# Altium PCB 迷你随车充液晶显示板.PcbDoc
Units mm, origin at the board's own origin, x right, y up, seen from the top; angles counter-clockwise.
Board outline 72 x 65 mm, 2 copper layers (Top Layer, Bottom Layer); 18 components, 11 nets, 60 pads, 37 vias.
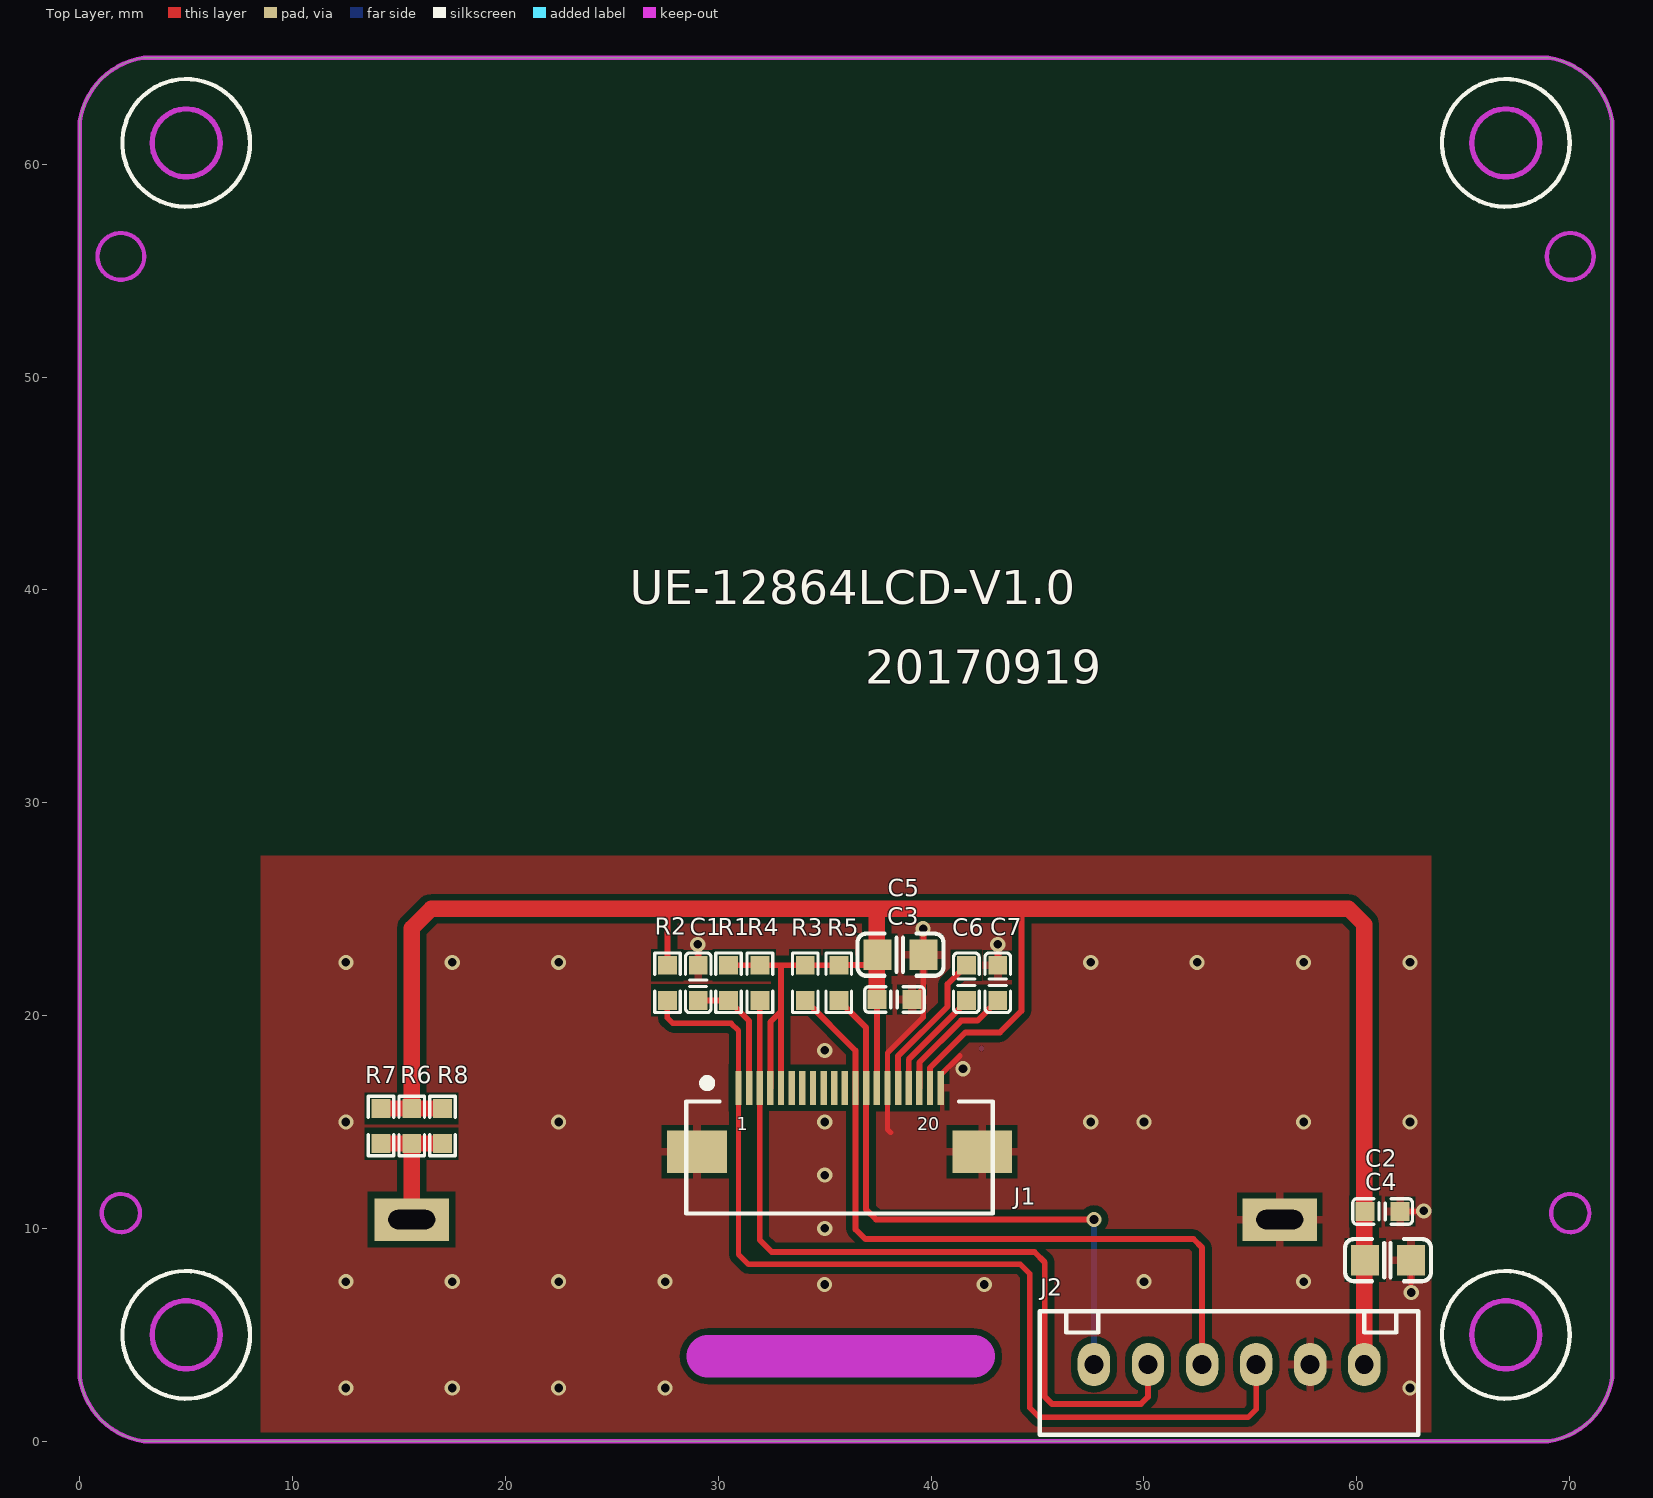
[diagram p0: Top Layer view]
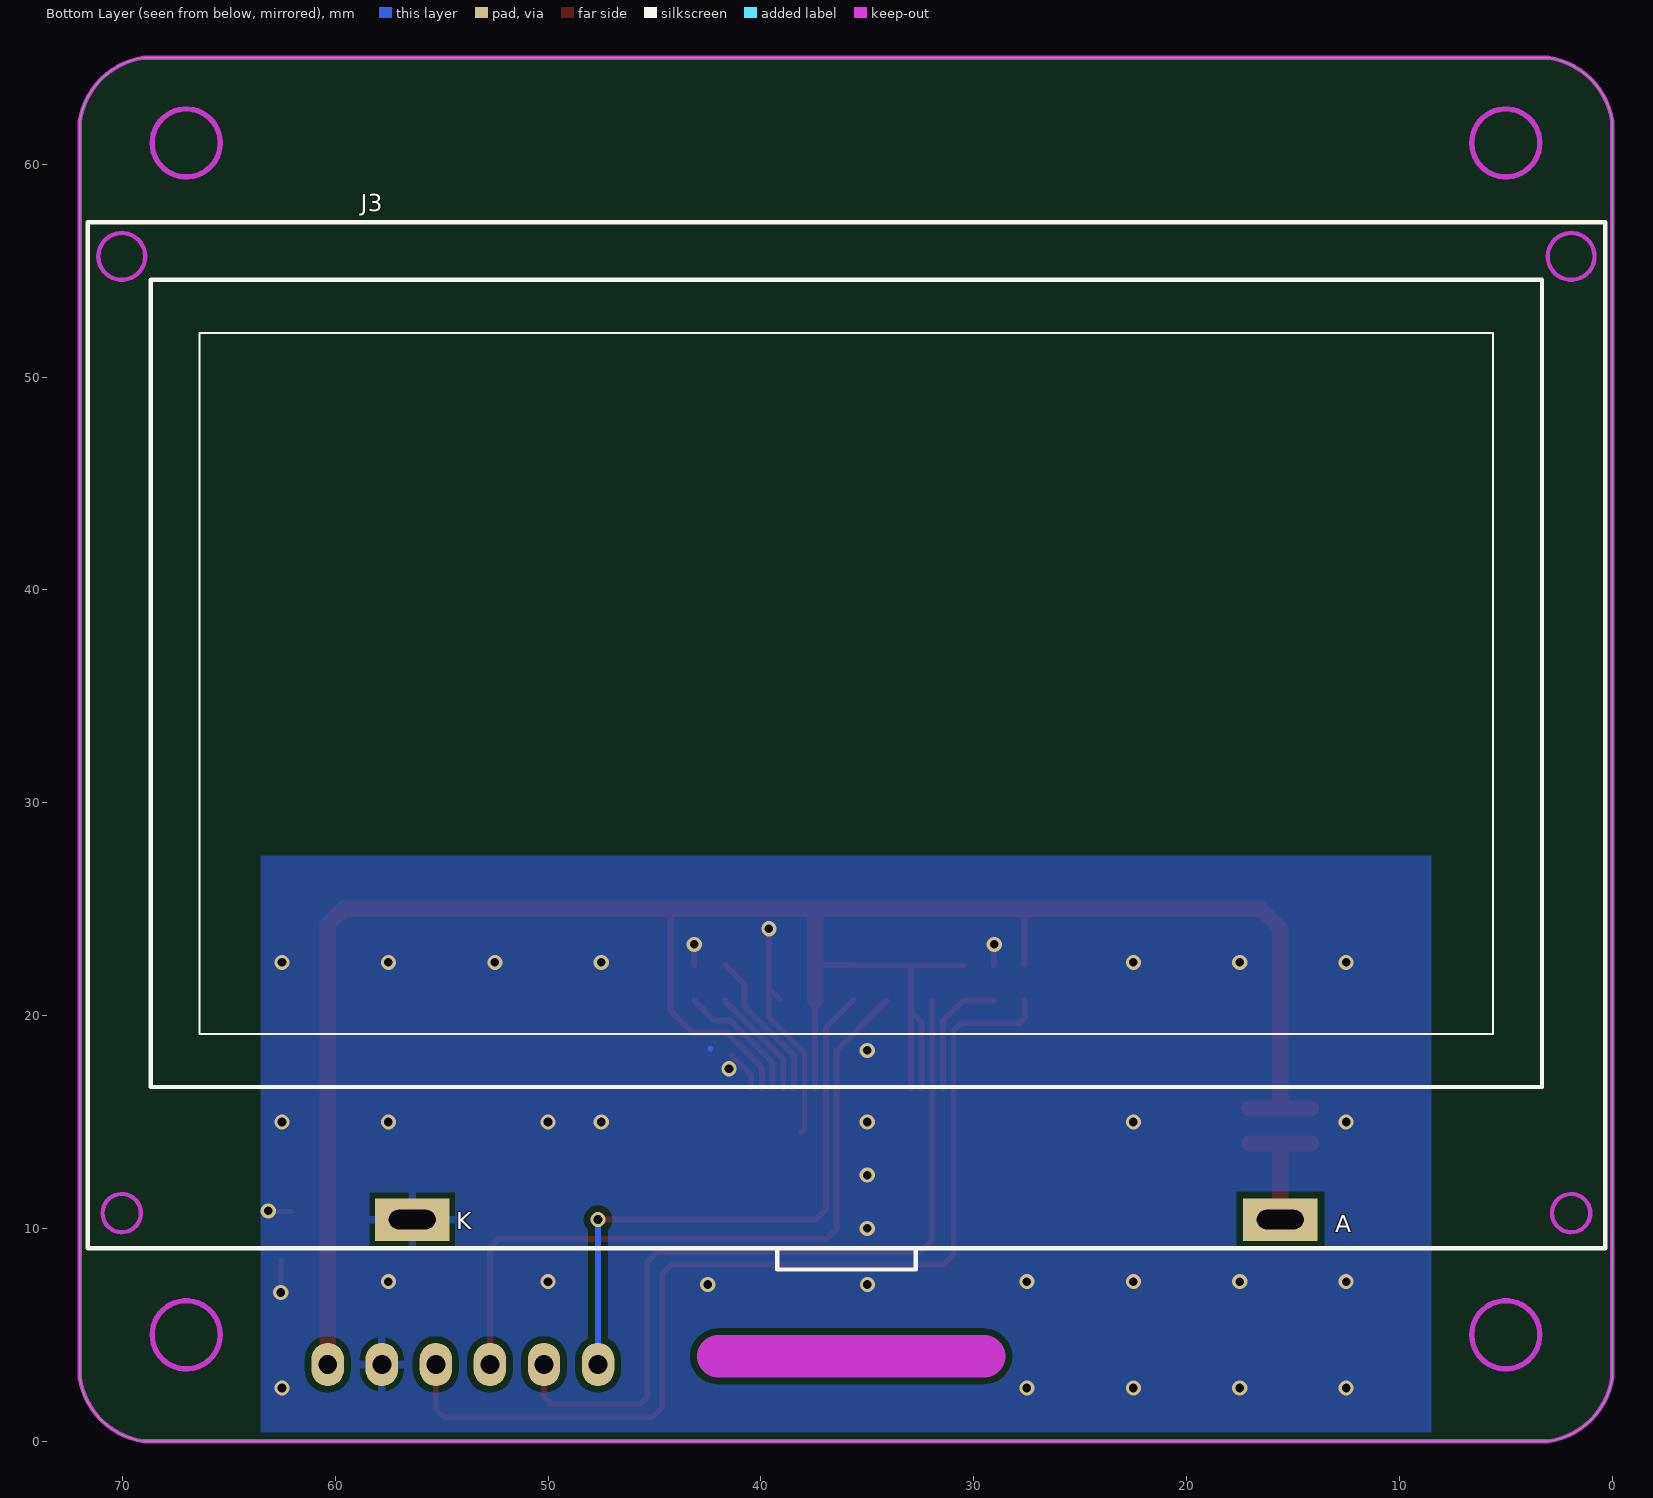
[diagram p1: Bottom Layer view, seen from below]

## Layer stack, top to bottom
Top Layer: signal copper 0.0356
Dielectric: core 0.32, FR-4, Dk 4.8
Bottom Layer: signal copper 0.0356

## Board outline
0,3 ccw(c3.5,3.5) 3,0 69,0 ccw(c68.5,3.5) 72,3 72,62 ccw(c68.5,61.5) 69,65 3,65 ccw(c3.5,61.5) 0,62

## Design rules (kind name [scope] priority, off if disabled: settings)
Clearance [InPoly] p1: gap=0.305
Clearance Clearance_1 [All] p2: gap=0.178
ComponentClearance [All] p1 off: gap=0.025 collisioncheckmode=3 verticalgap=0.025 showdistances=FALSE
FabricationTestpoint [(IsPad And (OnTopLayer Or OnBottomLayer))] p1: side=3 testpointundercomponent=TRUE minsize=1.016 maxsize=2.54 preferedsize=1.524 minholesize=0 maxholesize=1.016 preferedholesize=0.813 testpointgrid=0.025 allowsidetop=TRUE allowsidebottom=TRUE usegrid=TRUE gridtolerance=0
HoleSize [All] p1: absolutevalues=TRUE maxlimit=5.08 minlimit=0.025 maxpercent=80.000 minpercent=20.000
MinimumSolderMaskSliver [All] p1: minsoldermaskwidth=0
PolygonConnect [IsVia] p1: connectstyle=Direct reliefconductorwidth=0.254 reliefentries=4 polygonreliefangle="90 Angle" airgapwidth=0.254
PolygonConnect PolygonConnect_1 [All] p2: connectstyle=Relief reliefconductorwidth=0.381 reliefentries=4 polygonreliefangle="90 Angle" airgapwidth=0.254
RoutingVias [All] p1: holewidth=0.711 width=1.27 viastyle="Through Hole" minholewidth=0.254 minwidth=0.254 maxholewidth=0.711 maxwidth=1.27
SilkToSilkClearance [All] p1: silktosilkclearance=0
SilkToSolderMaskClearance [IsPad] p1: minsilkscreentomaskgap=0 clearancetoexposedcopper=TRUE
SolderMaskExpansion [All] p1: expansion=0.102
Width [All] p1: maxlimit=10 minlimit=0.013 preferedwidth=0.254 minimp=50.000000 maximp=50.000000 favimp=50.000000
22 further rules are at their usual default settings.

## Components (designator, comment, footprint, x,y, rotation, side; value= is the part's Value field where it differs from the comment)
C1 "0.1uF" 0603C 29.058,21.539 r270 top
C2 "104" 0603C 61.214,10.795 r180 top
C3 "104" 0603C 38.278,20.752 r180 top
C4 "10uF" 0805C 61.468,8.509 r0 top
C5 "10uF" 0805C 38.557,22.86 r0 top
C6 "105" 0603C 41.656,21.539 r90 top
C7 "105" 0603C 43.129,21.539 r90 top
J1 "CON20" FPC20-0.5mm 35.698,15.098 r0 top
J2 "CON6" CON06_2.54 60.35,3.607 r180 top
J3 "CON2" JXL12864G-1504 71.628,9.068 r180 bottom
R1 "10K" 0603R 30.48,21.539 r270 top
R2 "10K" 0603R 27.61,21.539 r90 top
R3 "10K" 0603R 34.087,21.539 r90 top
R4 "10K" 0603R 31.953,21.539 r90 top
R5 "10K" 0603R 35.662,21.539 r90 top
R6 "47R" 0603R 15.596,14.808 r270 top
R7 "47R" 0603R 14.148,14.808 r270 top
R8 "47R" 0603R 17.043,14.808 r270 top

## Footprints (in the part's own frame and the unit in brackets; to place one, negate y for a bottom-side part, rotate by r counter-clockwise, add the part's x,y. Pads: shape width x height; smd on the part's side, far side on the other; paste and mask are expansions set on the pad)
0603C [mil]
  rect 35x35 smd: 1(-32.5,0) 2(32.5,0)
  silkscreen extent -55,-24 55,24
0603R [mil]
  rect 35x35 smd: 1(-32.5,0) 2(32.5,0)
  silkscreen extent -55,-24 55,24
0805C [mil]
  rect 52x56 smd: 1(-42.5,0) 2(42.5,0)
  silkscreen extent -80,-39 80,39
CON06_2.54 [mil]
  oval 60x80 hole 35: 1(0,0) 2(100,0) 3(200,0) 4(300,0) 5(400,0) 6(500,0)
  silkscreen extent -100,-98 600,130
FPC20-0.5mm [mm]
  rect 0.3x1.6 smd: 1(-4.75,1.5) 2(-4.25,1.5) 3(-3.75,1.5) 4(-3.25,1.5) 5(-2.75,1.5) 6(-2.25,1.5) 7(-1.75,1.5) 8(-1.25,1.5) 9(-0.75,1.5) 10(-0.25,1.5) 11(0.25,1.5) 12(0.75,1.5) 13(1.25,1.5) 14(1.75,1.5) 15(2.25,1.5) 16(2.75,1.5) 17(3.25,1.5) 18(3.75,1.5) 19(4.25,1.5) 20(4.75,1.5)
  rect 2.8x2 smd: 21(-6.7,-1.5) 22(6.7,-1.5)
  silkscreen extent -7.2,-4.4 7.2,1.85
JXL12864G-1504 [mm]
  rect 3.5x2 hole 0.9 slot 2.2 at 0 deg: 1(56.032,1.346) 2(15.25,1.346)
  Keep-Out Layer circle w0.2: c1.6,1.65 r0.9
  Keep-Out Layer circle w0.2: c69.7,1.65 r0.9
  Keep-Out Layer circle w0.2: c69.7,46.6 r1.1
  Keep-Out Layer circle w0.2: c1.6,46.6 r1.1
  silkscreen extent 0,-1 71.3,48.2

## Part data
C1: library part CAP1, "0603贴片电容/50V/0.1uF/±10%/X7R"
C2 C3 C6 C7: library part CAP, "Capacitor"
C4 C5: library part CAP1
J1 J2 J3: "Connector"
R1: library part RES1, "0603贴片电阻/10K/0.1W/±5%"
R2 R3 R4 R5 R6 R7 R8: library part RES-1, "RES"

## Via types
v1: diameter 0.711, hole 0.406, Top Layer to Bottom Layer, tented both sides, 37 vias

## Nets (pads, with @x,y where several pads share a name; then routed paths per layer and width w, separated by ;. In a path a pad name is that pad's centre, name@x,y a point inside that pad or via, vN(x,y) a via of type N, cw(c..) or ccw(c..) an arc to the next point about the centre after c; other vN are vias at no path point)
DGND: C1.1 C2.1 C3.1 C4.2 C5.2 C7.2 J1.15 J1.20 J1.21 J1.22 J2.2 J3.2 | length 20.4
  Top Layer w0.254: v1(29.032,23.343) 29.058,23.317 C1.1 ; 38.1,14.503 37.948,14.655 J1.15 37.948,18.232 39.624,19.907 39.624,21.273 ; C3.1 39.624,21.273 ; v1@39.624,24.105 v1(39.624,24.079) 39.624,21.273 ; v1@39.637,24.079 C5.2 39.637,21.285 39.624,21.273 ; J1.20 40.448,17.207 41.351,18.11 ; C7.2 v1(43.129,23.343) ; C2.1 63.119,10.795 v1(63.144,10.82) ; C4.2 62.547,6.998 v1(62.56,6.985)
  Bottom Layer w0.254: 42.367,18.44 42.367,18.466
  other v1: 12.5,2.5 17.5,2.5 22.5,2.5 27.5,2.5 62.5,2.5 34.994,7.366 42.494,7.366 12.5,7.5 17.5,7.5 22.5,7.5 27.5,7.5 50,7.5 57.5,7.5 35,10 35,12.5 12.5,15 22.5,15 35,15 47.5,15 50,15 57.5,15 62.5,15 41.5,17.5 35.001,18.364 12.5,22.5 17.5,22.5 22.5,22.5 47.5,22.5 52.5,22.5 57.5,22.5 62.5,22.5
DIS_RES: C1.2 J1.2 R1.2 | length 5.9
  Top Layer w0.279: C1.2 R1.2 31.448,19.745 J1.2
DP3V3: C2.2 C3.2 C4.1 C5.1 J1.4 J1.5 J1.14 J1.19 J2.1 R1.1 R2.2 R3.2 R4.2 R5.2 R6.1 R7.1 R8.1 | length 116.3
  Top Layer w0.279: R2.2 27.61,24.892 27.737,25.019 ; R1.1 32.969,22.364 ; J1.4 32.448,19.698 32.948,20.198 ; J1.5 32.948,22.344 32.969,22.364 ; 37.44,25.019 37.448,25.01 ; J1.14 C3.2@37.448,20.714 ; C5.1@37.448,22.365 R5.2 32.969,22.364 ; J1.19 39.948,17.546 41.605,19.202 43.231,19.202 44.247,20.218 44.247,24.943 44.171,25.019
  Top Layer w0.762: R7.1 R6.1 ; R8.1 R6.1 ; C3.2@37.448,20.714 C5.1@37.448,22.365 ; C5.1@37.448,22.403 37.448,25.01 ; J2.1 60.35,24.282 59.614,25.019 44.171,25.019 37.44,25.019 27.737,25.019 16.51,25.019 15.596,24.105 R6.1
NetC6_1: C6.1 J1.17 | length 5.2
  Top Layer w0.279: J1.17 38.948,17.943 41.656,20.65 C6.1
NetC6_2: C6.2 J1.16 | length 7.1
  Top Layer w0.279: J1.16 38.448,18.103 40.767,20.422 40.767,21.476 C6.2
NetC7_1: C7.1 J1.18 | length 6.1
  Top Layer w0.279: J1.18 39.448,17.796 41.414,19.761 42.177,19.761 C7.1
NetJ3_1: J3.1 R6.2 R7.2 R8.2 | length 6.5
  Top Layer w0.762: R7.2 R6.2 ; J3.1 R6.2 ; R8.2 R6.2
S_DIS_CS: J1.1 J2.3 R2.1 | length 48.4
  Top Layer w0.254: R2.1 27.61,19.888 27.864,19.634 30.607,19.634 30.948,19.293 J1.1 30.948,8.777 31.42,8.306 44.196,8.306 44.628,7.874 44.628,1.575 45.085,1.118 54.889,1.118 55.27,1.499 J2.3
S_DIS_RS: J1.3 J2.5 R4.1 | length 38.1
  Top Layer w0.279: R4.1 31.948,20.709 J1.3 31.948,9.454 32.512,8.89 44.856,8.89 45.339,8.407 45.339,2.083 45.669,1.753 49.86,1.753 50.19,2.083 J2.5
S_DIS_SCK: J1.12 J2.4 R3.1 | length 33.9
  Top Layer w0.279: R3.1 36.448,18.352 J1.12 36.448,9.957 36.906,9.5 52.324,9.5 52.73,9.093 J2.4
S_DIS_SDA: J1.13 J2.6 R5.1 | length 28.1
  Top Layer w0.279: R5.1 36.948,19.427 J1.13 36.948,10.88 37.414,10.414 v1(47.65,10.414)
  Bottom Layer w0.279: J2.6 v1(47.65,10.414)
pads on no net: J1.6 J1.7 J1.8 J1.9 J1.10 J1.11

## Polygon pours and split planes (outlines as drawn)
DGND on Top Layer "top-No Net" (solid, remove dead copper, pour order 6): 63.5,0 63.5,5 63.5,27.5 57.5,27.5 55,27.5 8.5,27.5 8.5,20 8.5,0 63.5,0
DGND on Bottom Layer "Top Layer-DGND" (solid, remove dead copper, pour order 5): 63.5,0 63.5,5 63.5,27.5 57.5,27.5 55,27.5 8.5,27.5 8.5,20 8.5,0 63.5,0

## Keep-outs
Keep-Out Layer:
  circle w0.254: c5,5 r1.6
  circle w0.254: c67,5 r1.6
  circle w0.254: c67,61 r1.6
  circle w0.254: c5,61 r1.6
  lines w0.2: 0,3 ccw(c3.5,3.5) 3,0 69,0 ccw(c68.5,3.5) 72,3 72,62 ccw(c68.5,61.5) 69,65 3,65 ccw(c3.5,61.5) 0,62 0,3
  lines w2: 29.512,3.988 42.012,3.988

## Silkscreen, mask and mechanical layers (free items; w line width, h text height)
Top Overlay:
  circle w0.2: c5,5 r3
  circle w0.2: c67,5 r3
  circle w0.2: c67,61 r3
  circle w0.2: c5,61 r3
  text "UE-12864LCD-V1.0" at 25.832,39.319 h1.6
  text "20170919" at 36.906,35.585 h1.6

## Text inside footprints (layer, text, board x,y; h text height)
J1: Top Overlay "1" at 30.872,14.616 h0.6; Top Overlay "20" at 39.356,14.616 h0.6
J3: Bottom Overlay "A" at 13.005,9.83 h0.8; Bottom Overlay "K" at 54.305,9.957 h0.8; Mechanical 1 "20" at 40.894,-13.157 h0.7; Mechanical 1 "1" at 31.42,-13.183 h0.7